# Altium PCB pcb_v1.PcbDoc (part 5 of 5)
Units mil, origin at the board's own origin, x right, y up, seen from the top; angles counter-clockwise.
Board outline 2527.56 x 5177.17 mil, 4 copper layers (L1 SIG, L2 SIG, L3 SIG, L4 SIG), stack 61.583 mil thick; 290 components, 207 nets, 1103 pads, 2427 vias.
Unrouted connection lines stored in the file: 255.
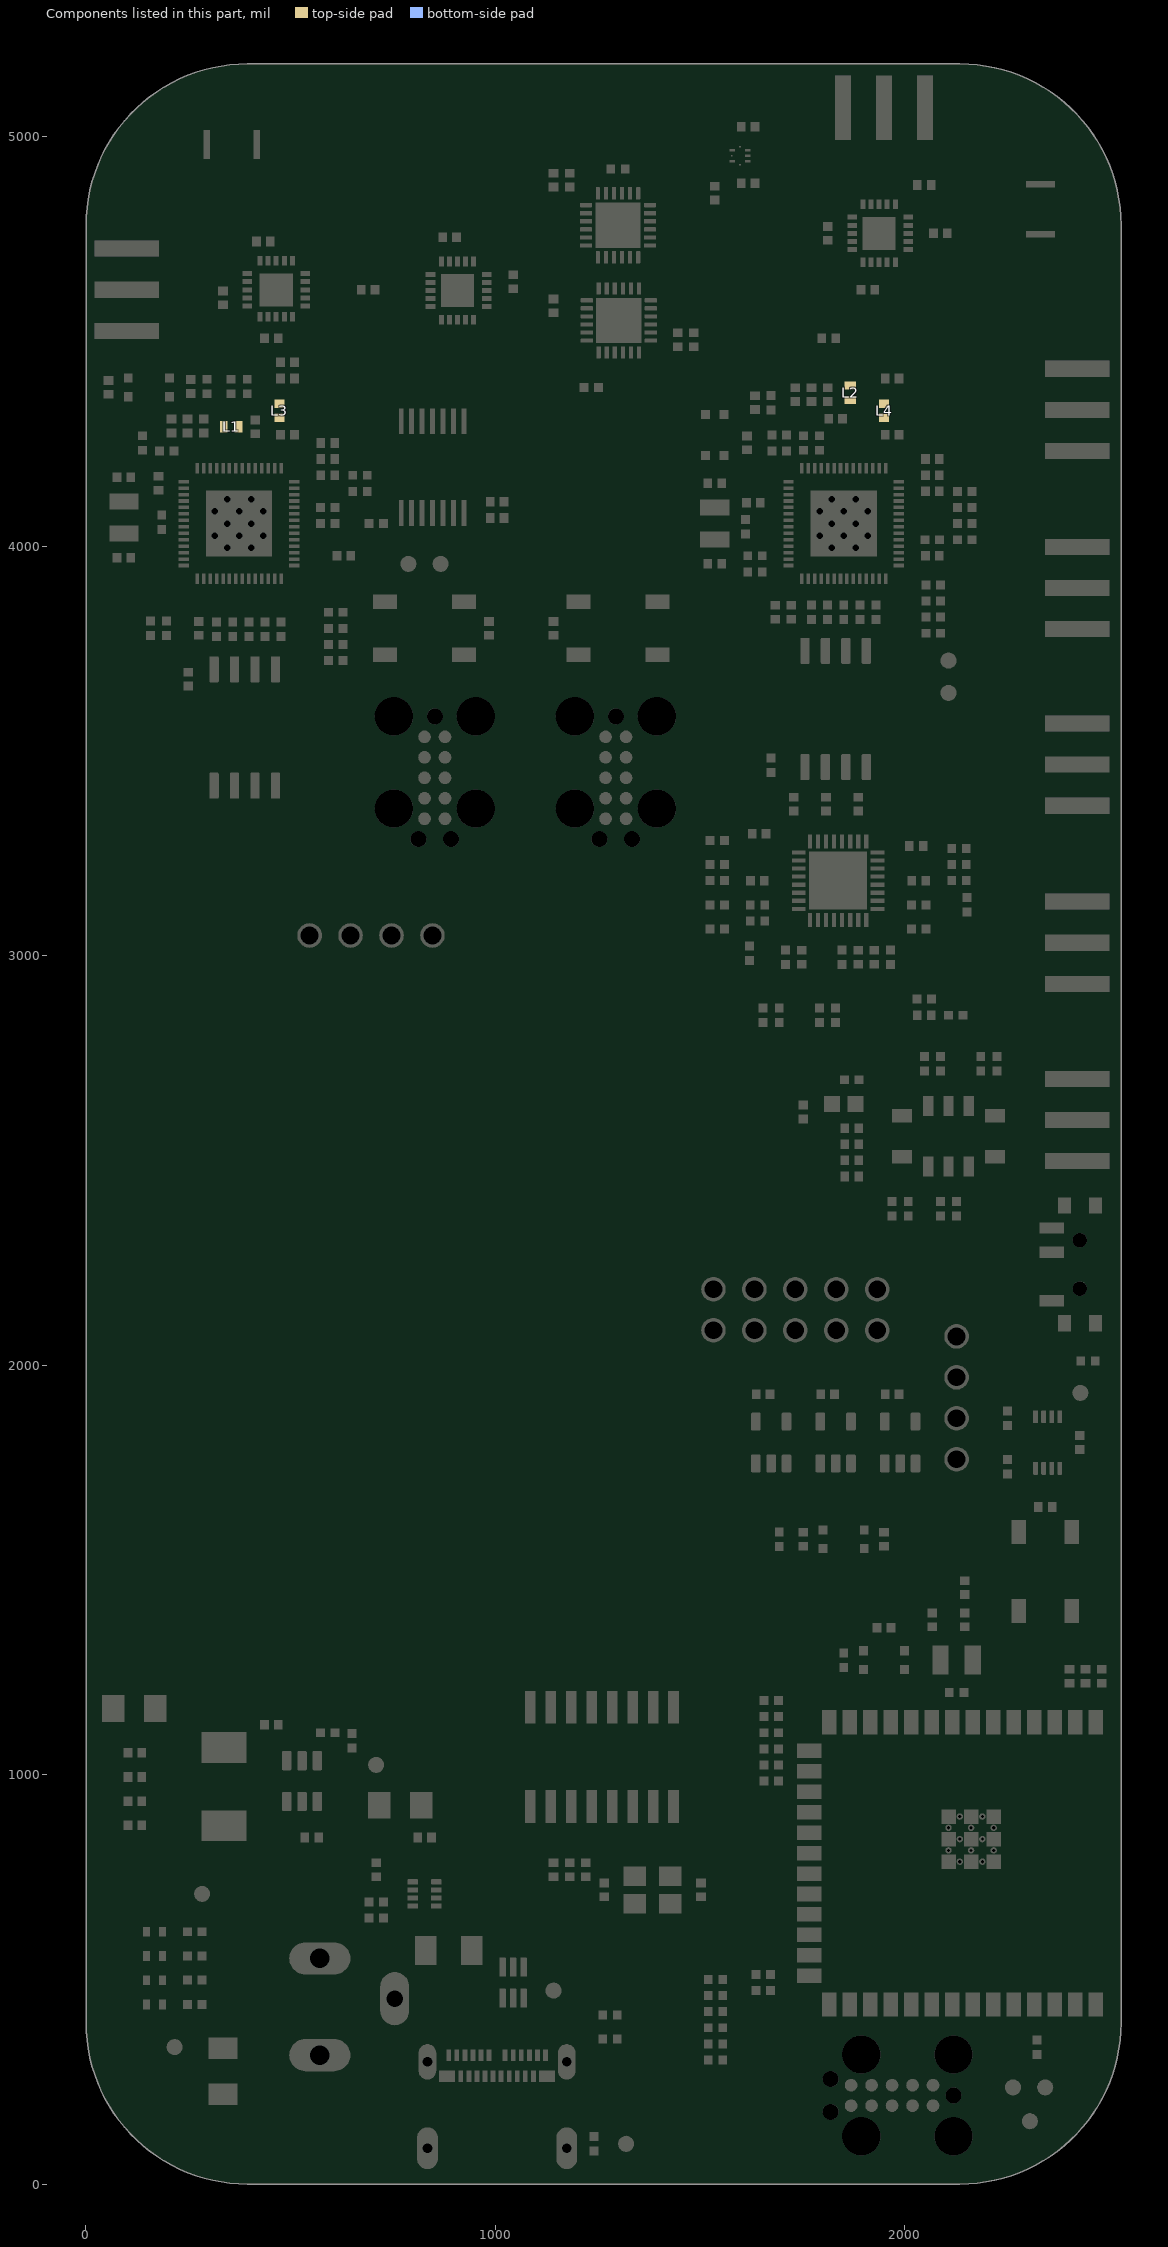
[diagram p7: the components of this part, seen from the top]

## Polygon pours and split planes (outlines as drawn) (continued)
+5V_JACK on L1 SIG "+5V_JACK_L01_P016" (solid, pour order 16): 840.55,706.69 935.04,706.69 935.04,647.64 872.05,647.64 872.05,690.94 840.55,690.94
+5V_USB on L1 SIG "+5V_USB_L01_P008" (solid, pour order 8): 1057.09,326.77 1057.09,415.35 1110.24,415.35 1110.24,336.61 1068.9,336.61 1068.9,326.77
GND on L1 SIG "GND_L01_P071" (solid, pour order 71): 1579.53,4956.3 1571.65,4956.3 cw(c1571.65,4962.2) 1565.75,4962.2 1565.75,4963.19 1527.36,4963.19 1527.36,4943.5 1565.75,4943.5 cw(c1572.64,4943.5) 1572.64,4950.39 1579.53,4950.39
SP2 on L1 SIG "SP2_L01_P069" (solid, pour order 69): 2293.31,4870.08 2293.31,4988.19 2368.11,4988.19 2368.11,4870.08
GND on L1 SIG "GND_L01_P063" (solid, pour order 63): 1866.14,2592.52 1799.21,2592.52 1799.21,2446.85 1866.14,2446.85
GND on L1 SIG "GND_L01_P058" (solid, pour order 58): 1147.64,248.03 1104.33,248.03 1104.33,289.37 1114.17,299.21 1114.17,356.3 1163.39,405.51 1169.29,405.51 1202.76,372.05 1202.76,364.17 1185.04,346.46 1155.51,346.46 1147.64,338.58
+5V on L1 SIG "+5V_L01_P036" (solid, pour order 36): 668.31,960.63 668.31,797.24 693.9,771.65 810.04,771.65 810.04,840.55 739.17,911.42 739.17,960.63
GND on L1 SIG "GND_L01_P026" (solid, pour order 26): 860.24,248.03 903.54,248.03 903.54,289.37 893.7,299.21 893.7,356.3 844.49,405.51 838.58,405.51 805.12,372.05 805.12,364.17 822.83,346.46 852.36,346.46 860.24,338.58
+5V_USB on L1 SIG "+5V_USB_L01_P013" (solid, pour order 13): 783.46,690.94 783.46,706.69 820.87,706.69 840.55,687.01 870.08,687.01 870.08,598.43 814.96,598.43 814.96,690.94
+5V_USB on L1 SIG "+5V_USB_L01_P004" (solid, pour order 4): 1059.06,250 1047.24,250 1047.24,293.31 1059.06,305.12 1059.06,329.85 1066.93,329.85 1066.93,285.43 1059.06,277.56
+5V_USB on L1 SIG "+5V_USB_L01_P001" (solid, pour order 1): 948.82,248.03 960.63,248.03 960.63,291.34 950.74,301.23 950.74,330.71 938.98,330.71 938.98,285.43 948.82,275.59
GND on L1 SIG "GND_L01_P062" (solid, pour order 62): 2446.85,470.47 2484.25,470.47 2484.25,330.71 2446.85,330.71
GND on L1 SIG "GND_L01_P061" (solid, pour order 61): 2494.09,1246.06 2387.8,1246.06 2387.8,1297.24 2494.09,1297.24
GND on L1 SIG "GND_L01_P060" (solid, pour order 60): 295.28,246.06 374.02,246.06 374.02,167.32 295.28,167.32
GND on L1 SIG "GND_L01_P057" (solid, pour order 57): 1720.47,4364.17 1824.8,4364.17 1824.8,4297.24 1720.47,4297.24
GND on L1 SIG "GND_L01_P056" (solid, pour order 56): 596.46,4263.78 596.46,4200.79 659.45,4200.79 659.45,4263.78
GND on L1 SIG "GND_L01_P055" (solid, pour order 55): 114.17,862.2 114.17,1194.88 39.37,1194.88 39.37,862.2
GND on L1 SIG "GND_L01_P054" (solid, pour order 54): 476.38,958.66 503.94,958.66 503.94,885.83 517.72,872.05 535.43,872.05 547.24,860.24 547.24,824.8 505.91,824.8 476.38,854.33
+3V3 on L1 SIG "+3V3_L01_P030" (solid, pour order 30): 125,3321.85 31.5,3415.35 31.5,3824.8 114.17,3824.8 114.17,3488.19 226.38,3375.98
GND on L1 SIG "GND_L01_P053" (solid, pour order 53): 299.21,4297.24 299.21,4324.8 297.24,4326.77 133.86,4326.77 133.86,4297.24
GND on L1 SIG "GND_L01_P052" (solid, pour order 52): 913.39,533.46 970.47,533.46 970.47,629.92 913.39,629.92
+3V3 on L1 SIG "+3V3_L01_P050" (solid, pour order 50): 2005.91,4133.86 2025.59,4133.86 2025.59,4143.7 2039.37,4157.48 2064.96,4157.48 2066.93,4159.45 2066.93,4226.38 2064.96,4228.35 2039.37,4228.35 2005.91,4194.88
+3V3_VDD3P3_RX on L1 SIG "+3V3_VDD3P3_RX_L01_P048" (solid, pour order 48): 1917.32,4206.69 1940.94,4206.69 1940.94,4212.6 1862.2,4291.34 1881.89,4311.02 1881.89,4364.17 1877.95,4368.11 1840.55,4368.11 1836.61,4364.17 1836.61,4291.34 1917.32,4210.63
+3V3_VDD3P3_TX on L1 SIG "+3V3_VDD3P3_TX_L01_P043" (solid, pour order 43): 403.54,4289.37 391.73,4289.37 385.83,4295.28 385.83,4307.09 381.89,4311.02 362.2,4311.02 358.27,4307.09 358.27,4275.59 372.05,4261.81 401.57,4261.81
+3V3 on L1 SIG "+3V3_L01_P041" (solid, remove dead copper, pour order 41): 2393.7,1094.49 2435.04,1094.49 2437.01,1096.46 2437.01,1157.48 2444.88,1165.35 2490.16,1165.35 2498.03,1173.23 2498.03,1236.22 2496.06,1238.19 2387.8,1238.19 2387.8,1100.39
+3V3 on L1 SIG "+3V3_L01_P034" (solid, pour order 34): 527.56,4135.83 547.24,4135.83 547.24,4183.07 561.02,4196.85 586.61,4196.85 588.58,4198.82 588.58,4265.75 586.61,4267.72 561.02,4267.72 527.56,4234.25
+3V3_VDD3P3_TX on L1 SIG "+3V3_VDD3P3_TX_L01_P031" (solid, pour order 31): 440.94,4234.25 440.94,4212.6 464.57,4212.6 464.57,4234.25
+5V on L1 SIG "+5V_L01_P020" (solid, pour order 20): 555.12,960.63 551.18,956.69 551.18,830.71 559.06,822.83 712.6,822.83 712.6,949.05 701.01,960.63
+3V3 on L1 SIG "+3V3_L01_P023" (solid, pour order 23): 427.17,954.72 427.17,789.37 137.8,789.37 120.08,807.09 120.08,1204.72 129.92,1214.57 202.76,1214.57 228.35,1188.98 228.35,978.35 251.97,954.72
+5V on L1 SIG "+5V_L01_P019" (solid, pour order 19): 685.04,801.18 700.79,785.43 816.93,785.43 816.93,866.14 814.96,868.11 803.15,868.11 746.06,925.2 746.06,960.63 685.04,960.63
NetC92_1 on L1 SIG "NETC92_1_L01_P022" (solid, pour order 22): 513.78,909.45 541.34,909.45 541.34,974.41 513.78,974.41
NetC92_1 on L1 SIG "NETC92_1_L01_P021" (solid, pour order 21): 541.34,964.57 541.34,1003.94 474.41,1003.94 448.82,1029.53 448.82,1135.83 261.81,1135.83 246.06,1120.08 246.06,980.32 372.05,980.32 387.8,964.57
+5V_JACK on L1 SIG "+5V_JACK_L01_P014" (solid, pour order 14): 698.82,383.86 791.34,383.86 791.34,533.46 726.38,598.43 393.95,598.43 397.64,383.86
+5V_JACK on L1 SIG "+5V_JACK_L01_P017" (solid, pour order 17): 295.28,303.15 295.28,362.2 419.29,486.22 421.26,486.22 421.26,448.82 478.35,391.73 466.54,391.73 377.95,303.15
+5V_USB on L1 SIG "+5V_USB_L01_P005" (solid, pour order 5): 938.98,330.71 797.24,472.44 797.24,610.24 893.7,610.24 893.7,533.46 952.76,474.41 952.76,330.71
no net on Mechanical 1 "NONET_L01_P-001" (none): 0.25,0.12 cw(c0.25,0.25) 0.12,0.25 cw(c0.25,0.25) 0.25,0.38 cw(c0.25,0.25) 0.38,0.25 cw(c0.25,0.25)
GND on L4 SIG "GND_L04_P067" (solid, remove dead copper, pour order 67): 0,0 0,5177.17 0.25,5177.42 0.5,5177.17 2527.56,5177.17 2527.56,0.5 2527.81,0.25
+3V3 on L4 SIG "+3V3_L04_P040" (solid, pour order 40): 1372.05,1004.92 1372.05,1088.58 2240.16,1088.58 2366.14,1214.57 2486.22,1214.57 2501.97,1198.82 2501.97,999.02
+5V on L4 SIG "+5V_L04_P035" (solid, pour order 35): 675.2,960.63 675.2,1124.02 275.59,1523.62 275.59,3383.86 311.02,3419.29 374.02,3419.29 407.48,3385.83 407.48,1590.55 746.06,1251.97 746.06,960.63
+5V_USB on L4 SIG "+5V_USB_L04_P009" (solid, pour order 9): 1110.24,336.61 1110.24,415.35 1011.81,415.35 891.73,535.43 797.24,535.43 797.24,472.44 933.07,336.61
+3V3 on L4 SIG "+3V3_L04_P042" (solid, pour order 42): 1372.05,2909.45 1372.05,3194.88 1594.49,3417.32 1594.49,4187.01 1655.51,4187.01 1655.51,3379.92 1448.88,3173.29 1448.88,2903.48
+3V3 on L4 SIG "+3V3_L04_P039" (solid, pour order 39): 1454.67,1003.94 1372.05,1003.94 1372.05,2909.45 1389.76,2927.17 1425.2,2927.17 1448.88,2903.48
+3V3 on L4 SIG "+3V3_L04_P051" (solid, pour order 51): 1201.77,3822.83 1193.9,3814.96 1193.9,3787.4 1201.77,3779.53 1613.19,3779.53 1617.13,3783.46 1615.16,3785.43 1615.16,3822.83
+3V3 on L4 SIG "+3V3_L04_P049" (solid, pour order 49): 1594.49,3714.61 1594.49,3681.1 2007.87,3681.1 2007.87,3712.6
+3V3 on L4 SIG "+3V3_L04_P047" (solid, pour order 47): 1594.49,4376.48 1594.49,4395.67 1639.76,4440.94 1720.47,4440.94 1720.47,4409.45 1706.69,4395.67 1665.35,4395.67 1655.51,4385.83 1655.51,4368.6
+3V3 on L4 SIG "+3V3_L04_P044" (solid, pour order 44): 1594.49,4181.6 1594.49,4376.48 1604.33,4386.32 1641.73,4386.32 1657.48,4370.57 1655.51,4368.6 1655.51,4181.6
+5V on L4 SIG "+5V_L04_P037" (solid, pour order 37): 675.2,972.44 675.2,824.8 704.72,795.28 746.06,836.61 746.06,970.47 746.06,972.44
+5V on L4 SIG "+5V_L04_P027" (solid, pour order 27): 681.1,899.61 677.17,895.67 677.17,769.68 685.04,761.81 838.58,761.81 838.58,888.02 827,899.61
+3V3 on L4 SIG "+3V3_L04_P033" (solid, pour order 33): 31.5,3732.28 114.17,3732.28 135.83,3848.43 478.35,3848.43 486.22,3856.3 486.22,3897.64 482.28,3901.57 39.37,3901.57 31.5,3893.7
+5V_USB on L4 SIG "+5V_USB_L04_P011" (solid, pour order 11): 1074.43,337.92 1068.52,332.01 1068.52,280.83 1046.87,280.83 1046.87,337.92
+5V_JACK on L4 SIG "+5V_JACK_L04_P015" (solid, pour order 15): 791.34,383.86 490.16,383.86 490.16,598.43 728.35,598.43 836.61,706.69 935.04,706.69 935.04,655.31 791.34,543.31
+5V_USB on L4 SIG "+5V_USB_L04_P010" (solid, pour order 10): 933.07,336.61 938.98,330.71 938.98,279.53 960.63,279.53 960.63,336.61
no net on Mechanical 2 "NONET_L01_P-001" (none): 0.25,0.12 cw(c0.25,0.25) 0.12,0.25 cw(c0.25,0.25) 0.25,0.38 cw(c0.25,0.25) 0.38,0.25 cw(c0.25,0.25)
GND on L2 SIG "GND_L02_P075" (solid, remove dead copper, pour order 75): 0,0 0,5177.17 0.25,5177.42 0.5,5177.17 2527.56,5177.17 2527.56,0.5 2527.81,0.25
GND on L3 SIG "GND_L03_P068" (solid, remove dead copper, pour order 68): 0,0 0,5177.17 0.25,5177.42 0.5,5177.17 2527.56,5177.17 2527.56,0.5 2527.81,0.25

## Keep-outs
L2 SIG:
  circle w0.25: c0.25,5177.42 r0.12
  circle w0.25: c0.25,0.25 r0.12
  circle w0.25: c0.25,0.25 r0.12
  circle w0.25: c2527.81,0.25 r0.12
  lines w0.5: 0.25,393.95 ccw(c393.95,393.95) 393.95,0.25 2134.11,0.25 ccw(c2134.11,393.95) 2527.81,393.95 2527.81,4783.71 ccw(c2134.11,4783.71) 2134.11,5177.42 393.95,5177.42 ccw(c393.95,4783.71) 0.25,4783.71 0.25,393.95
Keep-Out Layer:
  circle w0.25: c0.25,5177.42 r0.12
  circle w0.25: c2527.81,0.25 r0.12
  circle w0.25: c0.25,0.25 r0.12
  circle w0.25: c0.25,0.25 r0.12
  lines w0.5: 0.25,393.95 ccw(c393.95,393.95) 393.95,0.25 2134.11,0.25 ccw(c2134.11,393.95) 2527.81,393.95 2527.81,4783.71 ccw(c2134.11,4783.71) 2134.11,5177.42 393.95,5177.42 ccw(c393.95,4783.71) 0.25,4783.71 0.25,393.95

## Other copper
L1 SIG:
  pour cut-out: 1866.26,4834.66 2007.87,4834.66 2007.87,4692.92 1866.26,4692.92
  pour cut-out: 393.81,4696.86 535.43,4696.86 535.43,4555.12 393.81,4555.12
  pour cut-out: 836.73,4694.88 978.35,4694.88 978.35,4553.15 836.73,4553.15
  pour cut-out: 1218.5,4864.17 1379.92,4864.17 1377.36,4861.61 1377.36,4704.13 1219.09,4704.13 1218.5,4704.72
  pour cut-out: 1220.47,4631.89 1381.89,4631.89 1379.33,4629.33 1379.33,4471.85 1221.06,4471.85 1220.47,4472.44
  pour cut-out: 1710.63,3919.29 1710.63,4192.91 1988.19,4192.91 1988.19,3919.29
  pour cut-out: 234.25,4192.91 511.81,4192.91 511.81,3921.26 510.83,3920.28 233.58,3920.28 232.59,3919.29
L2 SIG:
  pour cut-out: 0,5177.17 708.66,5177.17 708.66,4783.46 0,4783.46
  pour cut-out: 2133.86,4468.5 2527.56,4468.5 2527.56,5177.17 2133.86,5177.17
  pour cut-out: 708.66,5177.17 708.66,4783.46 0,4783.46 0,5177.17
L3 SIG:
  pour cut-out: 708.66,4783.46 708.66,5177.17 0,5177.17 0,4783.46
  pour cut-out: 2133.86,4468.5 2527.56,4468.5 2527.56,5177.17 2133.86,5177.17
L4 SIG:
  region: 1705.68,477.98
  region: 1705.68,477.98
  region: 1705.68,477.98
  region: 1705.68,477.98
  pour cut-out: 0,5177.17 708.66,5177.17 708.66,4783.46 0,4783.46
  pour cut-out: 2141.73,4468.5 2527.56,4468.5 2527.56,5177.17 2141.73,5177.17

## Silkscreen, mask and mechanical layers (free items; w line width, h text height)
Top Overlay:
  text "ESPRX 1PPS IN" at 2026,4274.1 h40
  text "ESPRX 1PPS OUT" at 2197.49,3771.65 h40 r90
  text "ESPRX 10MHZ OUT" at 2024.03,3486.82 h40
  text "BUFF 40MHZ OUT" at 2024.03,3309.88 h40
  text "ESPRX JTAG" at 1174.21,3116.8 h40
  text "ESPTX JTAG" at 723.42,3112.86 h40
  text "1" at 537.53,2935.17 h40
  text "40MHZ IN" at 2010.25,2933.73 h40
  text "4" at 830.83,2933.2 h40
  text "EXT CLK" at 2324.15,2271.65 h40 r90
  text "ESPMGMT SPI BUSSES" at 1503.25,2256.56 h40
  text "10" at 2013.91,2169.42 h40
  text "2" at 1431.23,2163.51 h40
  text "1" at 2108.39,2157.35 h40 r270
  text "1" at 1437.13,2063.12 h40
  text "DCTCXO" at 2324.15,1935.45 h40 r90
  text "DCTCXO I2C" at 2044.22,1615.16 h40
  text "+5V" at 699.31,1083.34 h40
  text "+3V3" at 144.31,679.18 h40
  text "+5V INPUT" at 384.73,611.51 h40
  text "+3V3" at 6.5,603.23 h40
  text "+5V" at 7.9,528.43 h40
  text "+5V USB" at 1109.15,521.13 h40
  text "+5V USB" at 7.72,455.42 h40
  text "+5V JACK" at 6.78,382.6 h40
  text "+5V JACk" at 173.39,232.33 h40
  text "GND" at 1278.17,155.56 h40
  text "ESPMGMT JTAG" at 1435.85,67.41 h40
Bottom Overlay:
  text "ESP WiWi V1 / Armando Pinales / Julian St James" at 292.6,1775.59 h60 r90
Mechanical 1:
  lines w6.3: 0,4468.5 2519.68,4468.5 ; 0,4980.31 708.66,4980.31 ; 354.33,4783.46 354.33,5177.17 ; 2133.86,4822.84 2527.56,4822.84 ; 2330.71,4468.5 2330.71,5177.17
  lines w10: 0,4783.46 708.66,4783.46 708.66,5177.17 0,5177.17 0,4783.46 ; 2133.86,4468.5 2133.86,5177.17 2527.56,5177.17 2527.56,4468.5 2133.86,4468.5
Mechanical 2:
  circle w0.5: c275.84,275.84 r59.06
  circle w0.5: c2301.16,3838.19 r59.06

## Text inside footprints (layer, text, board x,y; h text height)
U10: Mechanical 13 "*" at 440.34,4554.49 h50 r90
U11: Mechanical 13 "*" at 835.99,4648.24 h50
U13: Mechanical 13 "*" at 1865.51,4788.01 h50